# Altium PCB KlusterLab r2.0.PcbDoc (part 15 of 22)
Units mm, origin at the board's own origin, x right, y up, seen from the top; angles counter-clockwise.
Board outline 232 x 250 mm, 12 copper layers (L1 Top, L2 Inner1 (GND), L3 Inner2 (Sig), L4 Inner3 (GND), L5 Inner4 (PWR), L6 Inner5 (PWR), L7 Inner6 (PWR), L8 Inner7 (PWR), L9 Inner8 (GND), L10 Inner9 (Sig), L11 Inner10 (GND), L12 Bottom), stack 1.614 mm thick; 1169 components, 852 nets, 4679 pads, 5115 vias.
Unrouted connection lines stored in the file: 1.
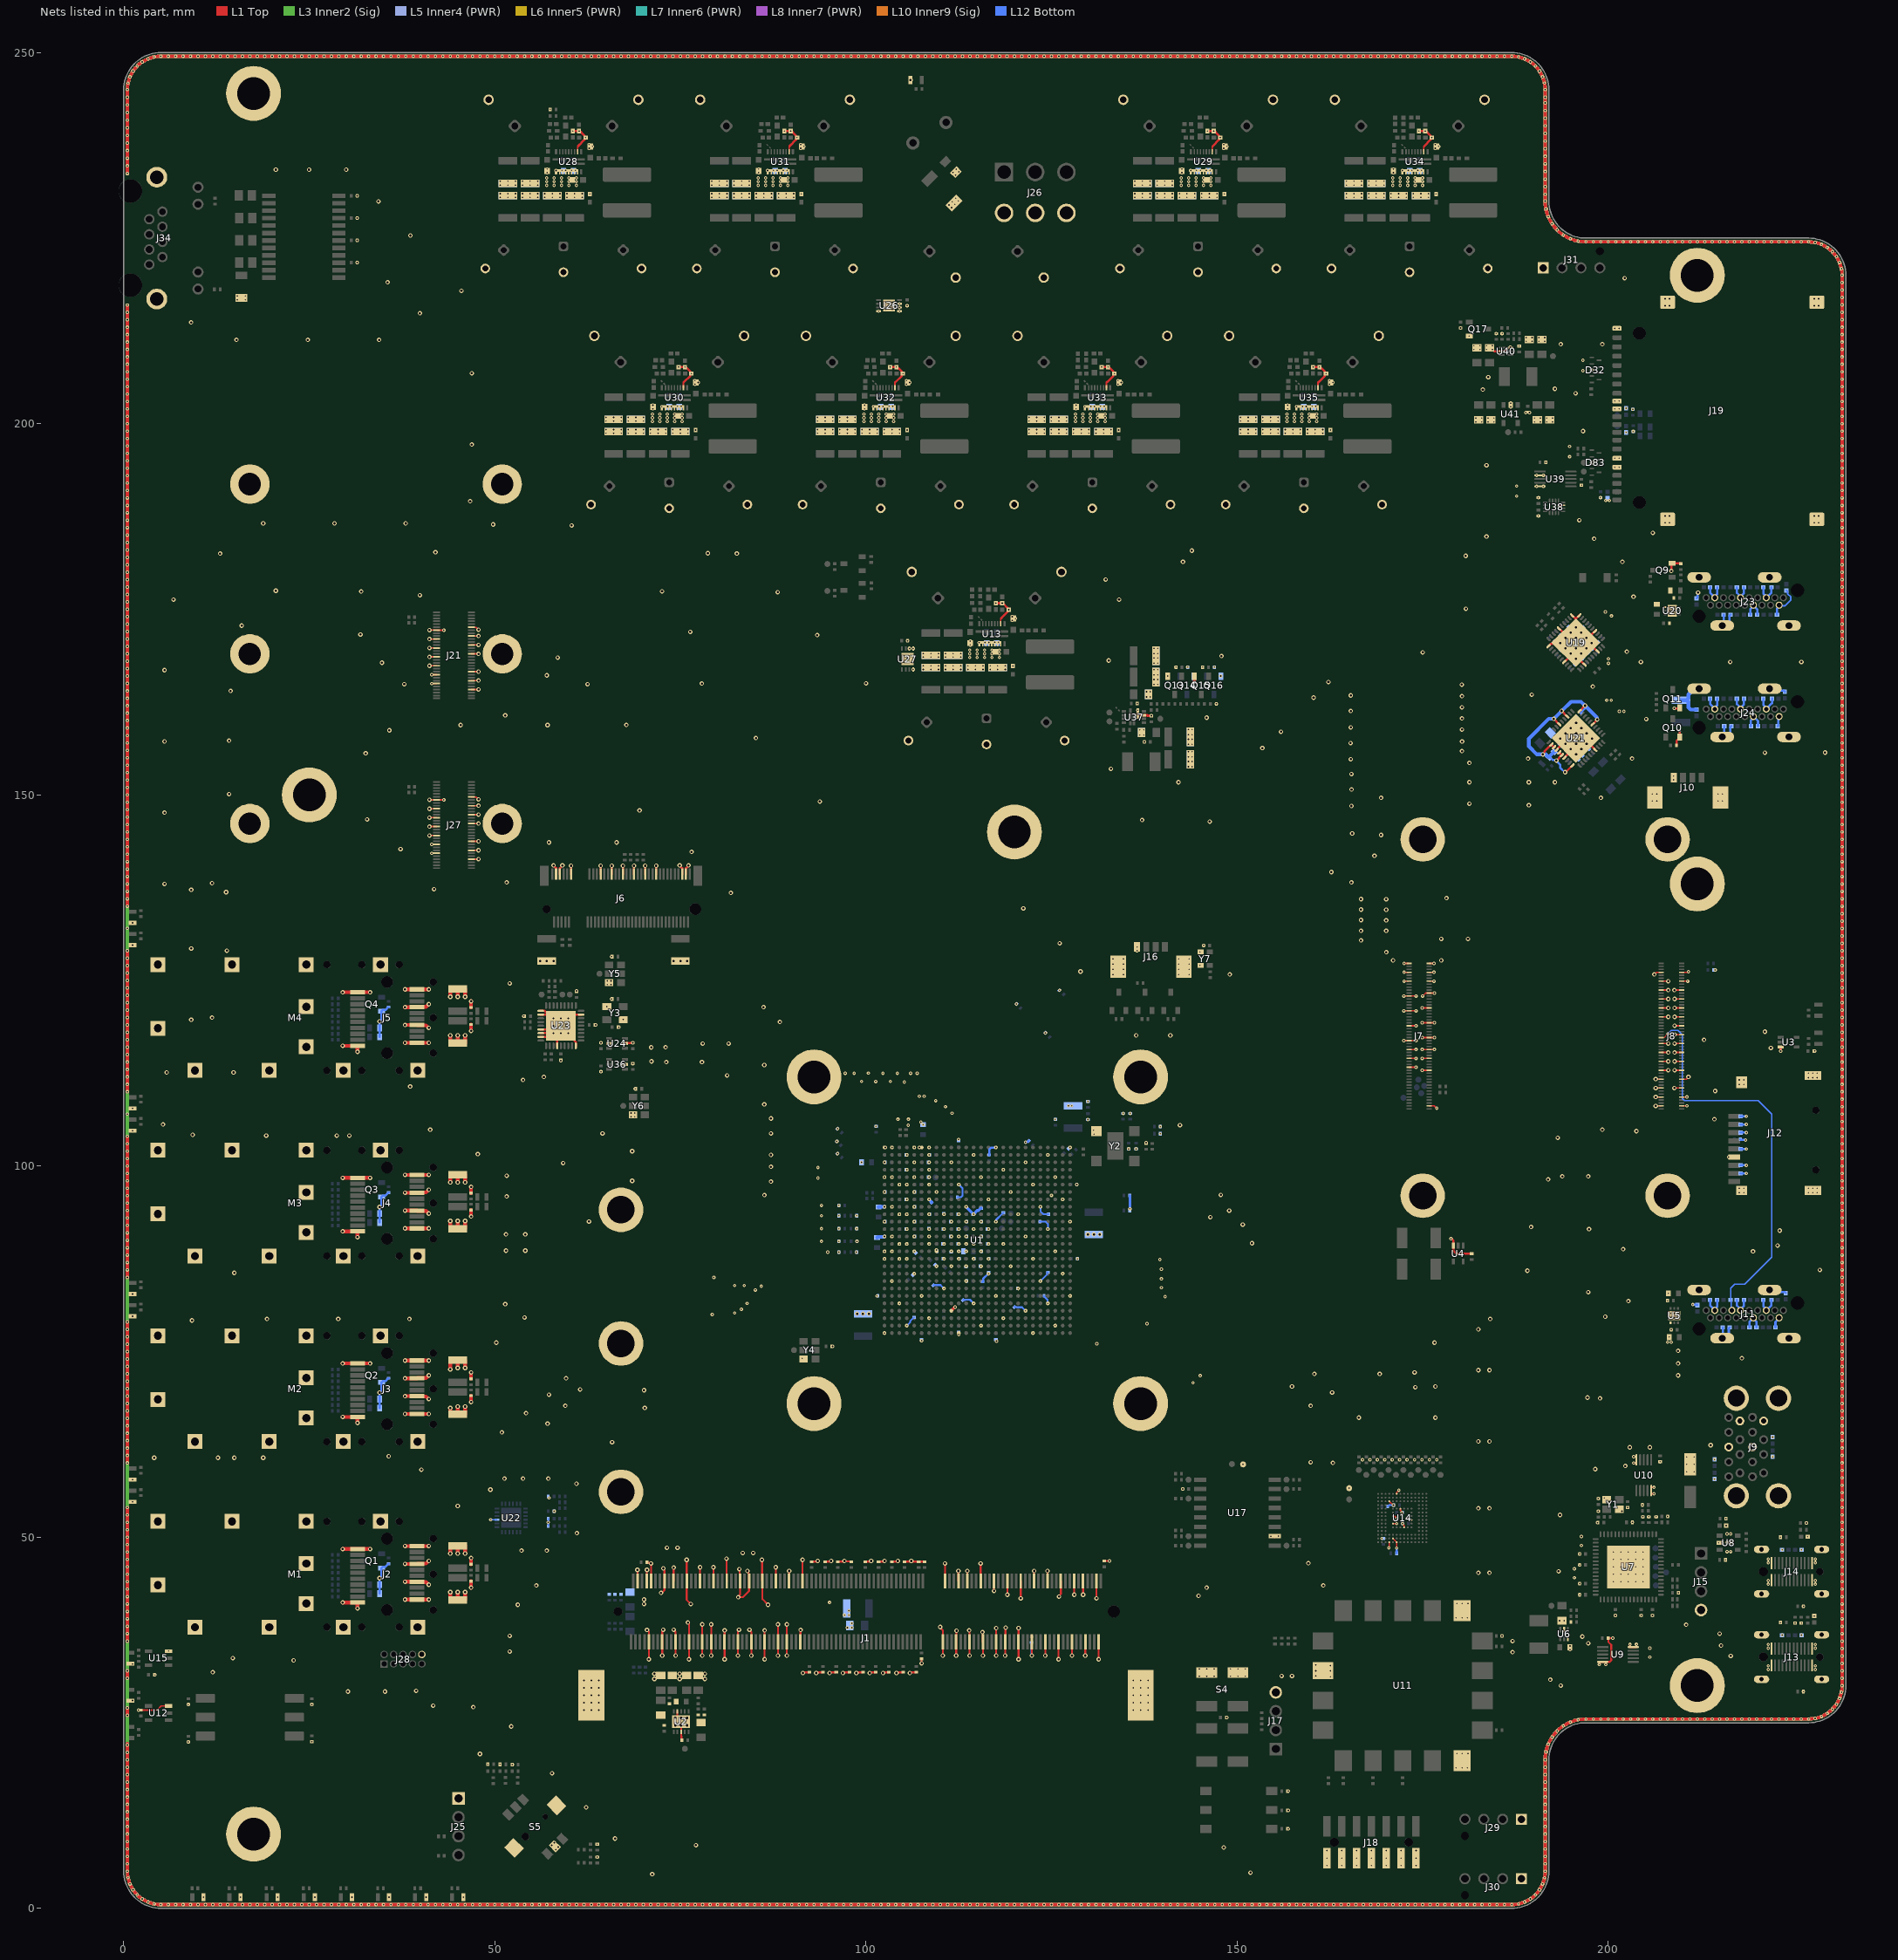
[diagram p25: the nets of this part, all layers, seen from the top]

## Via types
v1: diameter 0.45, hole 0.2, L1 Top to L12 Bottom, tented both sides, 4200 vias
v2: diameter 0.6, hole 0.3, L1 Top to L12 Bottom, tented both sides, 908 vias
v3: diameter 0.4, hole 0.2, L1 Top to L12 Bottom, tented both sides, 7 vias

## Nets (pads, with @x,y where several pads share a name; then routed paths per layer and width w, separated by ;. In a path a pad name is that pad's centre, name@x,y a point inside that pad or via, vN(x,y) a via of type N, cw(c..) or ccw(c..) an arc to the next point about the centre after c; other vN are vias at no path point) (continued)
GND: (continued)
  L7 Inner6 (PWR) w0.45: v1(0.5,215.974) v1(0.5,213) v1(0.5,210) v1(0.5,209) v1(0.5,208) v1(0.5,205) v1(0.5,203) v1(0.5,199) v1(0.5,197) v1(0.5,196) v1(0.5,194) v1(0.5,189) v1(0.5,184) v1(0.5,183) v1(0.5,180) v1(0.501,177) v1(0.501,174) v1(0.501,172) v1(0.501,170) v1(0.501,169) v1(0.501,165) v1(0.501,161) v1(0.501,157) v1(0.501,156) v1(0.5,154) v1(0.5,151) v1(0.5,144) v1(0.5,143) v1(0.5,141) v1(0.5,138) v1(0.5,132.026) v1(0.5,129) v1(0.5,126) v1(0.5,125) v1(0.5,120) v1(0.5,118) v1(0.5,117) v1(0.5,114) v1(0.5,112) v1(0.5,104) v1(0.5,103) v1(0.5,100) v1(0.5,97) v1(0.5,95) v1(0.5,91) v1(0.5,90) v1(0.501,88) v1(0.501,85) v1(0.501,78) v1(0.501,77) v1(0.501,75) v1(0.5,73) v1(0.5,70) v1(0.5,68) v1(0.5,65) v1(0.5,64) v1(0.5,61) v1(0.5,52) v1(0.5,51) v1(0.5,47) v1(0.5,43) v1(0.5,38) v1(0.5,37) v1(0.5,31) v1(0.5,26) v1(0.5,22) v1(0.5,20) v1(0.5,19) v1(0.5,16) v1(0.5,12) v1(0.5,11) v1(0.5,8) v1(0.5,7) v1(0.5,5) ccw(c5,5) v1(5,0.5) v1(7,0.5) v1(11,0.5) v1(15,0.5) v1(19,0.5) v1(22,0.5) v1(23,0.5) v1(27,0.5) v1(31,0.5) v1(34,0.5) v1(38,0.5) v1(43,0.5) v1(44,0.5) v1(49,0.5) v1(50,0.5) v1(51,0.5) v1(53,0.5) v1(56,0.5) v1(59,0.5) v1(62,0.5) v1(65,0.5) v1(68,0.5) v1(71,0.5) v1(75,0.5) v1(78,0.5) v1(83,0.499) v1(87,0.499) v1(91,0.499) v1(94,0.499) v1(96,0.5) v1(98,0.5) v1(104,0.5) v1(107,0.5) v1(110,0.5) v1(115,0.5) v1(117,0.5) v1(119,0.5) v1(125,0.5) v1(129,0.5) v1(133,0.5) v1(134,0.5) v1(136,0.5) v1(139,0.5) v1(141,0.5) v1(142,0.5) v1(143,0.5) v1(148,0.5) v1(151,0.5) v1(154,0.5) v1(158,0.5) v1(160,0.5) v1(164,0.499) v1(168,0.499) v1(174,0.499) v1(179,0.499) v1(184,0.499) v1(187,0.5) ccw(c187,5) v1(191.5,5) ; v1(0.5,233.713) v1(0.5,237.818) v1(0.501,240.896) 0.501,243.973 v1(0.5,243.974) v1(0.5,245) cw(c5,245) v1(5,249.5) v1(6,249.5) v1(9,249.5) v1(12,249.5) v1(15,249.5) v1(18,249.5) v1(25,249.5) v1(28,249.5) v1(31,249.5) v1(33,249.5) v1(38,249.5) v1(42,249.5) v1(44,249.5) v1(47,249.5) v1(51,249.5) v1(54,249.5) v1(57,249.5) v1(62,249.5) v1(65,249.5) v1(67,249.5) v1(69,249.5) v1(74,249.5) v1(76,249.5) v1(80,249.5) v1(83,249.5) v1(86,249.5) v1(89,249.5) v1(90,249.5) v1(95,249.5) v1(96,249.5) v1(98,249.5) v1(102,249.5) v1(105,249.5) v1(107,249.5) v1(111,249.5) v1(113,249.5) v1(116,249.5) v1(119,249.5) v1(124,249.5) v1(128,249.5) v1(132,249.5) v1(135,249.5) v1(142,249.5) v1(144,249.5) v1(147,249.5) v1(150,249.5) v1(153,249.5) v1(157,249.5) v1(160,249.5) v1(163,249.5) v1(166,249.5) v1(169,249.5) v1(172,249.5) v1(179,249.5) v1(181,249.5) v1(185,249.5) v1(187,249.5) cw(c187,245) v1(191.5,245) v1(191.501,241.156) v1(191.501,240.13) v1(191.5,236.026) v1(191.5,235) 191.5,231.922 v1(191.5,230) ccw(c197,230) v1(197,224.5) v1(199,224.5) v1(202,224.5) v1(205,224.5) v1(209,224.5) v1(211,224.5) v1(212,224.5) v1(214,224.5) v1(219,224.5) v1(221,224.5) v1(224,224.5) v1(225,224.5) v1(227,224.5) cw(c227,220) v1(231.5,220) v1(231.5,217) v1(231.5,214) v1(231.5,205) v1(231.5,204) v1(231.5,199) v1(231.5,195) v1(231.5,193) v1(231.5,189) v1(231.5,187) v1(231.5,184) v1(231.5,181) v1(231.5,178) v1(231.5,173) v1(231.5,172) v1(231.5,168) v1(231.5,167) v1(231.5,164) v1(231.5,161) v1(231.5,159) v1(231.5,155) v1(231.499,151) v1(231.499,148) v1(231.499,146) v1(231.499,143) v1(231.499,141) v1(231.499,140) v1(231.499,136) v1(231.5,133) v1(231.5,132) v1(231.5,128) v1(231.5,124) v1(231.5,121) v1(231.5,120) v1(231.5,118) v1(231.5,115) v1(231.5,110) v1(231.5,109) v1(231.5,107) v1(231.5,103) v1(231.5,100) v1(231.5,95) v1(231.5,93) v1(231.5,89) v1(231.5,86) v1(231.5,83) v1(231.5,80) v1(231.5,78) v1(231.5,77) v1(231.5,71) v1(231.499,69) v1(231.499,66) v1(231.499,63) v1(231.499,62) v1(231.499,59) v1(231.499,57) v1(231.499,52) v1(231.499,50) 231.5,46 v1(231.5,45) v1(231.5,43) v1(231.5,38) v1(231.5,36) v1(231.5,33) v1(231.5,30) cw(c227,30) v1(227,25.5) 224,25.5 217,25.5 v1(216,25.5) v1(212,25.5) v1(211,25.5) v1(207,25.5) v1(204,25.5) v1(199,25.5) v1(197,25.5) ccw(c197,20) v1(191.5,20) ; v1(191.5,5) v1(191.5,10) v1(191.5,12) v1(191.5,13) v1(191.5,16) v1(191.5,20)
  L8 Inner7 (PWR) w0.45: v1(0.5,215.974) v1(0.5,213) v1(0.5,210) v1(0.5,209) v1(0.5,206) v1(0.5,204) v1(0.5,197) v1(0.5,196) v1(0.5,194) v1(0.5,189) v1(0.5,184) v1(0.5,183) v1(0.5,182) v1(0.501,179) v1(0.501,174) v1(0.501,170) v1(0.501,169) v1(0.501,165) v1(0.501,163) v1(0.501,159) v1(0.501,157) v1(0.501,156) v1(0.5,154) v1(0.5,151) v1(0.5,148) v1(0.5,146) v1(0.5,144) v1(0.5,143) v1(0.5,141) v1(0.5,138) v1(0.5,132.026) v1(0.5,129) v1(0.5,126) v1(0.5,120) v1(0.5,118) v1(0.5,117) v1(0.5,114) v1(0.5,112) v1(0.5,110) v1(0.5,104) v1(0.5,103) v1(0.5,101) v1(0.5,99) v1(0.5,94) v1(0.5,91) v1(0.5,90) v1(0.501,78) v1(0.501,77) v1(0.5,73) v1(0.5,70) v1(0.5,68) v1(0.5,65) v1(0.5,64) v1(0.5,61) v1(0.5,52) v1(0.5,51) v1(0.5,48) v1(0.5,46) v1(0.5,42) v1(0.5,38) v1(0.5,37) v1(0.5,32) v1(0.5,31) v1(0.5,26) v1(0.5,22) v1(0.5,20) v1(0.5,15) v1(0.5,12) v1(0.5,11) v1(0.5,8) v1(0.5,7) v1(0.5,5) ccw(c5,5) v1(5,0.5) v1(6,0.5) v1(9,0.5) v1(11,0.5) v1(14,0.5) v1(17,0.5) v1(21,0.5) v1(23,0.5) v1(27,0.5) v1(30,0.5) v1(33,0.5) v1(34,0.5) v1(38,0.5) v1(43,0.5) v1(49,0.5) v1(50,0.5) v1(51,0.5) v1(55,0.5) v1(59,0.5) v1(62,0.5) v1(66,0.5) v1(72,0.5) v1(77,0.5) v1(83,0.499) v1(84,0.499) v1(87,0.499) v1(90,0.499) v1(95,0.5) v1(96,0.5) v1(99,0.5) v1(102,0.5) v1(107,0.5) v1(108,0.5) v1(113,0.5) v1(117,0.5) v1(121,0.5) v1(125,0.5) v1(128,0.5) v1(131,0.5) v1(135,0.5) v1(138,0.5) v1(141,0.5) v1(142,0.5) v1(143,0.5) v1(148,0.5) v1(150,0.5) v1(156,0.5) v1(158,0.5) v1(160,0.5) v1(164,0.499) v1(167,0.499) v1(172,0.499) v1(179,0.499) v1(184,0.499) v1(185,0.5) v1(187,0.5) ccw(c187,5) v1(191.5,5) ; v1(0.5,233.713) v1(0.5,237.818) v1(0.501,239.87) v1(0.501,240.896) 0.501,243.973 v1(0.5,243.974) v1(0.5,245) cw(c5,245) v1(5,249.5) v1(6,249.5) v1(12,249.5) v1(16,249.5) v1(19,249.5) v1(25,249.5) v1(27,249.5) v1(28,249.5) v1(31,249.5) v1(32,249.5) v1(36,249.5) v1(38,249.5) v1(42,249.5) v1(45,249.5) v1(48,249.5) v1(51,249.5) v1(54,249.5) v1(57,249.5) v1(58,249.5) v1(60,249.5) v1(62,249.5) v1(65,249.5) v1(68,249.5) v1(72,249.5) v1(76,249.5) v1(81,249.5) v1(86,249.5) v1(89,249.5) v1(92,249.5) v1(94,249.5) v1(97,249.5) v1(102,249.5) v1(105,249.5) v1(107,249.5) v1(110,249.5) v1(115,249.5) v1(118,249.5) v1(119,249.5) v1(122,249.5) v1(125,249.5) v1(130,249.5) v1(132,249.5) v1(135,249.5) v1(138,249.5) v1(141,249.5) v1(144,249.5) v1(147,249.5) v1(152,249.5) v1(155,249.5) v1(156,249.5) v1(160,249.5) v1(163,249.5) v1(166,249.5) v1(168,249.5) v1(170,249.5) v1(174,249.5) v1(179,249.5) v1(182,249.5) v1(187,249.5) cw(c187,245) v1(191.5,245) v1(191.502,242.182) v1(191.5,236.026) v1(191.5,235) 191.5,231.922 v1(191.5,230) ccw(c197,230) v1(197,224.5) v1(199,224.5) v1(201,224.5) v1(205,224.5) v1(209,224.5) v1(211,224.5) v1(212,224.5) v1(215,224.5) v1(219,224.5) v1(221,224.5) v1(224,224.5) v1(225,224.5) v1(227,224.5) cw(c227,220) v1(231.5,220) v1(231.5,218) v1(231.5,214) v1(231.5,210) v1(231.5,207) v1(231.5,205) v1(231.5,204) v1(231.5,203) v1(231.5,200) v1(231.5,197) v1(231.5,193) v1(231.5,187) v1(231.5,184) v1(231.5,183) v1(231.5,178) v1(231.5,173) v1(231.5,172) v1(231.5,171) v1(231.5,168) v1(231.5,167) v1(231.5,162) v1(231.5,161) v1(231.5,158) v1(231.5,152) v1(231.499,150) v1(231.499,148) v1(231.499,145) v1(231.499,142) v1(231.499,141) v1(231.499,140) v1(231.499,136) v1(231.5,133) v1(231.5,132) v1(231.5,129) v1(231.5,126) v1(231.5,123) v1(231.5,115) v1(231.5,110) v1(231.5,109) v1(231.5,108) v1(231.5,105) v1(231.5,103) v1(231.5,100) v1(231.5,99) v1(231.5,96) v1(231.5,92) v1(231.5,88) v1(231.5,85) v1(231.5,83) v1(231.5,80) v1(231.5,78) v1(231.5,77) v1(231.5,73) v1(231.499,69) v1(231.499,66) v1(231.499,63) v1(231.499,61) v1(231.499,59) v1(231.499,56) v1(231.499,53) v1(231.499,49) 231.5,46 v1(231.5,45) v1(231.5,41) v1(231.5,39) v1(231.5,35) v1(231.5,30) cw(c227,30) v1(227,25.5) 223,25.5 220,25.5 219,25.5 v1(215,25.5) v1(212,25.5) v1(211,25.5) v1(208,25.5) v1(205,25.5) v1(202,25.5) v1(199,25.5) v1(197,25.5) ccw(c197,20) v1(191.5,20) ; v1(191.5,5) v1(191.5,8) v1(191.5,12) v1(191.5,13) v1(191.5,15) v1(191.5,20)
  L10 Inner9 (Sig) w0.45: v1(0.5,215.974) v1(0.5,214) v1(0.5,212) v1(0.5,210) v1(0.5,209) v1(0.5,206) v1(0.5,204) v1(0.5,201) v1(0.5,197) v1(0.5,196) v1(0.5,190) v1(0.5,186) v1(0.5,184) v1(0.5,183) v1(0.501,179) v1(0.501,178) v1(0.501,175) v1(0.501,172) v1(0.501,170) v1(0.501,169) v1(0.501,165) v1(0.501,160) v1(0.501,157) v1(0.501,156) v1(0.5,154) v1(0.5,151) v1(0.5,146) v1(0.5,144) v1(0.5,143) v1(0.5,140) v1(0.5,137) v1(0.5,132.026) v1(0.5,129) v1(0.5,126) v1(0.5,123) v1(0.5,120) v1(0.5,118) v1(0.5,117) v1(0.5,114) v1(0.5,104) v1(0.5,103) v1(0.5,102) v1(0.5,100) v1(0.5,97) v1(0.5,95) v1(0.5,93) v1(0.5,91) v1(0.5,90) v1(0.501,88) v1(0.501,78) v1(0.501,77) v1(0.5,70) v1(0.5,67) v1(0.5,65) v1(0.5,64) v1(0.5,62) v1(0.5,60) v1(0.5,52) v1(0.5,51) v1(0.5,48) v1(0.5,46) v1(0.5,44) v1(0.5,38) v1(0.5,37) v1(0.5,26) v1(0.5,22) v1(0.5,20) v1(0.5,19) v1(0.5,16) v1(0.5,12) v1(0.5,11) v1(0.5,8) v1(0.5,7) v1(0.5,5) ccw(c5,5) v1(5,0.5) v1(9,0.5) v1(11,0.5) v1(12,0.5) v1(19,0.5) v1(20,0.5) v1(27,0.5) v1(28,0.5) v1(30,0.5) v1(33,0.5) v1(35,0.5) v1(38,0.5) v1(40,0.5) v1(43,0.5) v1(49,0.5) v1(50,0.5) v1(51,0.5) v1(55,0.5) v1(59,0.5) v1(60,0.5) v1(64,0.5) v1(68,0.5) v1(71,0.5) v1(77,0.5) v1(82,0.499) v1(89,0.499) v1(90,0.499) v1(94,0.499) v1(96,0.5) v1(100,0.5) v1(105,0.5) v1(107,0.5) v1(110,0.5) v1(113,0.5) v1(117,0.5) v1(119,0.5) v1(126,0.5) v1(128,0.5) v1(131,0.5) v1(136,0.5) v1(141,0.5) v1(142,0.5) v1(143,0.5) v1(149,0.5) v1(151,0.5) v1(153,0.5) v1(156,0.5) v1(159,0.5) v1(162,0.499) v1(164,0.499) v1(172,0.499) v1(176,0.499) v1(178,0.499) v1(184,0.499) v1(187,0.5) ccw(c187,5) v1(191.5,5) ; v1(0.5,233.713) v1(0.5,237.818) v1(0.501,240.896) 0.501,243.973 v1(0.5,243.974) v1(0.5,245) cw(c5,245) v1(5,249.5) v1(8,249.5) v1(13,249.5) v1(15,249.5) v1(18,249.5) v1(25,249.5) v1(26,249.5) v1(31,249.5) v1(33,249.5) v1(36,249.5) v1(39,249.5) v1(41,249.5) v1(45,249.5) v1(46,249.5) v1(52,249.5) v1(53,249.5) v1(60,249.5) v1(64,249.5) v1(65,249.5) v1(69,249.5) v1(72,249.5) v1(77,249.5) v1(80,249.5) v1(83,249.5) v1(89,249.5) v1(90,249.5) v1(93,249.5) v1(97,249.5) v1(100,249.5) v1(102,249.5) v1(105,249.5) v1(107,249.5) v1(116,249.5) v1(120,249.5) v1(122,249.5) v1(127,249.5) v1(129,249.5) v1(131,249.5) v1(134,249.5) v1(136,249.5) v1(141,249.5) v1(146,249.5) v1(148,249.5) v1(152,249.5) v1(154,249.5) v1(157,249.5) v1(160,249.5) v1(161,249.5) v1(163,249.5) v1(166,249.5) v1(169,249.5) v1(172,249.5) v1(173,249.5) v1(176,249.5) v1(178,249.5) v1(181,249.5) v1(187,249.5) cw(c187,245) v1(191.5,245) v1(191.5,243.974) v1(191.5,236.026) v1(191.5,235) 191.5,231.922 v1(191.5,230) ccw(c197,230) v1(197,224.5) v1(202,224.5) v1(203,224.5) v1(209,224.5) v1(211,224.5) v1(212,224.5) v1(216,224.5) v1(217,224.5) v1(220,224.5) v1(224,224.5) v1(225,224.5) v1(227,224.5) cw(c227,220) v1(231.5,220) v1(231.5,218) v1(231.5,215) v1(231.5,211) v1(231.5,209) v1(231.5,205) v1(231.5,204) v1(231.5,202) v1(231.5,197) v1(231.5,193) v1(231.5,186) v1(231.5,183) v1(231.5,178) v1(231.5,175) v1(231.5,173) v1(231.5,172) v1(231.5,171) v1(231.5,168) v1(231.5,165) v1(231.5,164) v1(231.5,161) v1(231.5,158) v1(231.5,154) v1(231.499,151) v1(231.499,149) v1(231.499,145) v1(231.499,143) v1(231.499,141) v1(231.499,140) v1(231.5,135) v1(231.5,129) v1(231.5,123) v1(231.5,120) v1(231.5,117) v1(231.5,115) v1(231.5,110) v1(231.5,109) v1(231.5,106) v1(231.5,105) v1(231.5,103) v1(231.5,100) v1(231.5,99) v1(231.5,96) v1(231.5,93) v1(231.5,90) v1(231.5,86) v1(231.5,82) v1(231.5,80) v1(231.5,78) v1(231.5,77) v1(231.5,73) v1(231.5,70) v1(231.499,66) v1(231.499,63) v1(231.499,62) v1(231.499,55) v1(231.499,53) v1(231.499,50) 231.5,46 v1(231.5,45) v1(231.5,44) v1(231.5,41) v1(231.5,37) v1(231.5,33) v1(231.5,32) v1(231.5,30) cw(c227,30) v1(227,25.5) 224,25.5 221,25.5 217,25.5 v1(216,25.5) v1(212,25.5) v1(211,25.5) v1(208,25.5) v1(207,25.5) v1(202,25.5) v1(199,25.5) v1(197,25.5) ccw(c197,20) v1(191.5,20) ; v1(191.5,5) v1(191.5,8) v1(191.5,12) v1(191.5,13) v1(191.5,16) v1(191.5,20)
  L12 Bottom w0.2: v1(49.45,52.35) U22.9@50.287,52.35 ; R204.1@57.205,51.5 57.202,51.503 57.202,51.998 v1(57.2,52) 57.202,52.003 57.202,52.498 R203.1@57.205,52.5
  L12 Bottom w0.249: R15.2@122.3,35.805 122.3,34.1 v2(122.35,34.05)
  L12 Bottom w0.25: v1(105.5,78.5) 105.975,78.975 105.975,79.13 106.45,79.605 C274.2@106.5,79.605 ; C212.2@109.079,83.921 109.115,83.956 110.049,83.956 v1(110.505,83.5) ; C277.2@112.295,95.8 112.8,95.8 113,96 113,97 v1(112.5,97.5) ; C231.2@113.079,81.921 113.115,81.956 113.356,81.956 113.4,82 114,82 v1(114.5,81.5) ; v1(117.5,92.5) 117.538,92.538 117.538,92.743 118.385,93.59 118.385,93.64 118.45,93.705 C275.2@118.5,93.705 ; C223.2@119.979,81.021 120.015,81.056 120.107,81.056 120.161,81.001 120.259,81.001 120.296,80.965 121.033,80.965 v1(121.498,80.5) ; C249.2@123.395,92.5 124.2,92.5 124.5,92.2 v1(124.5,91.5) ; v1(123.5,84.5) 124.385,85.385 124.385,85.64 124.45,85.705 C244.2@124.5,85.705 ; v1(123.51,94.5) 123.51,93.89 123.9,93.5 C225.2@124.605,93.5 ; C227.2@123.995,82.5 123.995,82.45 124.462,81.983 124.462,81.538 v1(124.5,81.5) ; C152.2@135.545,96.05 C152.2@135.547,96.048 ; C151.2@135.547,94.234 v1(135.549,94.232) ; C160.1@170.29,54.129 170.29,54.179 170.355,54.244 170.416,54.244 170.501,54.329 v1(171.045,54.329) ; J23.2@223.017,175.554 223.117,175.454 223.797,175.454 224.597,176.254 224.597,176.654 224.147,177.104 224.147,177.379 D35.1@223.997,177.529
  L12 Bottom w0.3: R27.2@34.475,42.4 R26.2@34.475,43.6 v2(34.475,44.475) 34.735,44.735 Q1.2@34.735,45.85 34.91,46.025 35.27,46.025 35.65,46.405 R28.1@35.7,46.405 ; R38.2@34.475,67.4 R37.2@34.475,68.6 v2(34.475,69.475) 34.735,69.735 Q2.2@34.735,70.85 34.91,71.025 35.27,71.025 35.65,71.405 R39.1@35.7,71.405 ; R49.2@34.475,92.4 R48.2@34.475,93.6 v2(34.475,94.475) 34.735,94.735 Q3.2@34.735,95.85 34.91,96.025 35.27,96.025 35.65,96.405 R50.1@35.7,96.405 ; R60.2@34.475,117.4 R59.2@34.475,118.6 v2(34.475,119.475) 34.735,119.735 Q4.2@34.735,120.85 34.91,121.025 35.27,121.025 35.65,121.405 R61.1@35.7,121.405 ; C254.2@115.7,84.395 115.75,84.395 115.79,84.435 115.79,84.79 v1(116.5,85.5) ; C206.2@116.6,101.495 116.6,102.2 116.871,102.471 117.471,102.471 v1(117.5,102.5) ; v1(121.5,103.2) 121.529,103.229 121.714,103.229 121.864,103.379 C243.2@121.921,103.379 ; C154.2@171.49,47.829 171.49,48.524 v1(171.495,48.529) ; v1(211.397,81.329) 211.426,81.3 211.951,81.3 D3.2@211.997,81.254 ; D48.2@211.897,176.479 212.022,176.604 212.022,177.098 212.097,177.173 v2(212.097,177.254) ; D15.1@213.722,81.954 213.722,81.229 J11.17@214.354,80.597 ; D63.1@213.722,162.954 213.722,162.229 J24.17@214.354,161.597 ; D47.1@213.722,177.954 213.722,177.229 J23.17@214.354,176.597 ; J11.17@214.354,80.554 J11.17@214.354,80.597 ; J24.17@214.354,161.554 J24.17@214.354,161.597 ; J23.17@214.354,176.554 J23.17@214.354,176.597 ; D13.1@214.672,81.954 214.672,81.048 214.354,80.73 J11.17@214.354,80.597 ; D61.1@214.672,162.954 214.672,162.048 214.354,161.73 J24.17@214.354,161.597 ; D45.1@214.672,177.954 214.672,177.048 214.354,176.73 J23.17@214.354,176.597 ; D14.1@215.422,78.254 215.422,76.881 J11.MT@215.345,76.804 215.726,76.804 216.234,77.312 216.234,78.129 216.359,78.254 D11.1@216.372,78.254 ; D46.1@215.547,174.254 215.547,173.006 J23.MT@215.345,172.804 215.814,172.804 216.322,173.312 216.322,174.129 216.447,174.254 D43.1@216.472,174.254 ; D62.1@215.622,159.254 215.622,158.081 J24.MT@215.345,157.804 215.914,157.804 216.422,158.312 216.422,159.129 216.547,159.254 D59.1@216.572,159.254 ; D12.1@217.322,81.954 217.322,81.227 J11.11@217.819,80.73 ; D60.1@217.322,162.954 217.322,162.227 J24.11@217.819,161.73 ; D44.1@217.322,177.954 217.322,177.227 J23.11@217.819,176.73 ; C116.2@217.795,103.6 217.795,103.569 217.835,103.529 218.471,103.529 v1(218.5,103.5) ; J11.11@217.819,80.554 J11.11@217.819,80.73 ; J24.11@217.819,161.554 J24.11@217.819,161.73 ; J23.11@217.819,176.554 J23.11@217.819,176.73 ; D17.1@217.825,99 v1(218.6,99) ; D16.1@217.825,100.1 v1(218.6,100.1) ; D20.1@217.825,102.3 v1(218.6,102.3) ; D21.1@217.825,104.5 v1(218.6,104.5) ; D19.1@217.825,105.6 v1(218.6,105.6) ; D18.1@217.825,106.7 v1(218.6,106.7) ; D9.1@218.272,81.954 218.272,81.183 J11.11@217.819,80.73 ; D57.1@218.272,162.954 218.272,162.183 J24.11@217.819,161.73 ; D41.1@218.272,177.954 218.272,177.183 J23.11@217.819,176.73 ; D10.1@219.022,78.254 219.022,78.979 J11.8@219.552,79.509 ; D42.1@219.122,174.254 219.122,174.979 219.552,175.409 J23.8@219.552,175.499 ; D58.1@219.222,159.254 219.222,160.048 219.552,160.378 J24.8@219.552,160.554 220.172,159.934 D55.1@220.172,159.254 ; J11.8@219.552,79.554 J11.8@219.552,79.509 ; J23.8@219.552,175.554 J23.8@219.552,175.499 ; D7.1@219.972,78.254 219.972,78.979 219.552,79.399 J11.8@219.552,79.509 ; D39.1@220.072,174.254 220.072,174.979 J23.8@219.552,175.499 ; D8.1@220.897,81.954 220.897,81.118 221.285,80.73 J11.5@221.285,80.554 221.972,81.241 D5.1@221.972,81.954 ; D56.1@220.897,162.954 220.897,162.118 221.285,161.73 J24.5@221.285,161.554 222.072,162.341 D53.1@222.072,162.954 ; D40.1@220.897,177.954 220.897,177.118 221.285,176.73 J23.5@221.285,176.554 221.972,177.241 D36.1@221.972,177.954 ; J11.MT@221.745,83.304 222.943,83.304 223.218,83.029 223.772,83.029 223.897,82.904 D4.1@223.897,82.879 ; J24.MT@221.745,164.304 222.943,164.304 223.218,164.029 223.672,164.029 223.797,163.904 D52.1@223.797,163.879 ; D6.1@222.522,78.254 222.522,78.979 223.017,79.474 J11.2@223.017,79.554 ; D38.1@222.722,174.254 222.722,175.083 J23.2@223.017,175.378 ; D54.1@222.822,159.254 222.92,159.351 222.92,160.456 J24.2@223.017,160.554 ; J23.2@223.017,175.554 J23.2@223.193,175.554
  L12 Bottom w0.35: C151.2@135.547,94.234 C152.2@135.547,96.048
  L12 Bottom w0.4: v1@108.5,95.472 v1@108.5,95.486 ; v1(108.5,95.5) v1@108.5,95.486 ; C133.2@108.858,95.087 108.872,95.101 108.872,95.115 v1@108.5,95.486 ; v1(113.5,94.5) v1(114.5,93.5) 114.995,93.995 115.17,93.995 115.47,94.295 C129.2@115.5,94.295 ; Q14.2@144.2,165.985 144.24,165.945 144.24,165.175 v1(144.25,165.166)
  L12 Bottom w0.45: v1(0.5,215.974) v1(0.5,212) v1(0.5,210) v1(0.5,209) v1(0.5,206) v1(0.5,204) v1(0.5,201) v1(0.5,197) v1(0.5,196) v1(0.5,194) v1(0.5,189) v1(0.5,186) v1(0.5,184) v1(0.5,183) v1(0.5,181) v1(0.501,179) v1(0.501,177) v1(0.501,175) v1(0.501,172) v1(0.501,170) v1(0.501,169) v1(0.501,168) v1(0.501,166) v1(0.501,161) v1(0.501,157) v1(0.501,156) v1(0.5,153) v1(0.5,151) v1(0.5,146) v1(0.5,144) v1(0.5,143) v1(0.5,141) v1(0.5,138) v1(0.5,132.026) v1(0.5,129) v1(0.5,126) v1(0.5,125) v1(0.5,123) v1(0.5,121) v1(0.5,118) v1(0.5,117) v1(0.5,114) v1(0.5,107) v1(0.5,104) v1(0.5,103) v1(0.5,99) v1(0.5,91) v1(0.5,90) v1(0.501,89) v1(0.501,87) v1(0.501,78) v1(0.501,77) v1(0.501,75) v1(0.5,70) v1(0.5,68) v1(0.5,65) v1(0.5,64) v1(0.5,61) v1(0.5,52) v1(0.5,51) v1(0.5,50) v1(0.5,47) v1(0.5,46) v1(0.5,41) v1(0.5,38) v1(0.5,37) v1(0.5,26) v1(0.5,22) v1(0.5,20) v1(0.5,19) v1(0.5,15) v1(0.5,14) v1(0.5,12) v1(0.5,11) v1(0.5,8) v1(0.5,5) ccw(c5,5) v1(5,0.5) v1(9,0.5) v1(11,0.5) v1(12,0.5) v1(15,0.5) v1(20,0.5) v1(23,0.5) v1(26,0.5) v1(30,0.5) v1(34,0.5) v1(37,0.5) v1(43,0.5) v1(46,0.5) v1(47,0.5) v1(50,0.5) v1(51,0.5) v1(56,0.5) v1(58,0.5) v1(62,0.5) v1(66,0.5) v1(68,0.5) v1(73,0.5) v1(77,0.5) v1(78,0.5) v1(83,0.499) v1(88,0.499) v1(91,0.499) v1(94,0.499) v1(96,0.5) v1(99,0.5) v1(102,0.5) v1(107,0.5) v1(110,0.5) v1(112,0.5) v1(116,0.5) v1(119,0.5) v1(122,0.5) v1(124,0.5) v1(127,0.5) v1(128,0.5) v1(133,0.5) v1(134,0.5) v1(136,0.5) v1(139,0.5) v1(141,0.5) v1(142,0.5) v1(144,0.5) v1(147,0.5) v1(151,0.5) v1(156,0.5) v1(157,0.5) v1(162,0.499) v1(166,0.499) v1(172,0.499) v1(176,0.499) v1(178,0.499) v1(184,0.499) v1(187,0.5) ccw(c187,5) v1(191.5,5) ; v1(0.5,233.713) v1(0.5,237.818) v1(0.501,240.896) 0.501,243.973 v1(0.5,243.974) v1(0.5,245) cw(c5,245) v1(5,249.5) v1(8,249.5) v1(12,249.5) v1(15,249.5) v1(18,249.5) v1(21,249.5) v1(23,249.5) v1(28,249.5) v1(29,249.5) v1(33,249.5) v1(39,249.5) v1(41,249.5) v1(46,249.5) v1(51,249.5) v1(54,249.5) v1(57,249.5) v1(58,249.5) v1(64,249.5) v1(65,249.5) v1(68,249.5) v1(74,249.5) v1(76,249.5) v1(80,249.5) v1(81,249.5) v1(84,249.5) v1(88,249.5) v1(90,249.5) v1(93,249.5) v1(96,249.5) v1(98,249.5) v1(100,249.5) v1(105,249.5) v1(107,249.5) v1(115,249.5) v1(117,249.5) v1(119,249.5) v1(121,249.5) v1(126,249.5) v1(128,249.5) v1(132,249.5) v1(135,249.5) v1(138,249.5) v1(141,249.5) v1(142,249.5) v1(144,249.5) v1(147,249.5) v1(150,249.5) v1(155,249.5) v1(157,249.5) v1(160,249.5) v1(162,249.5) v1(164,249.5) v1(169,249.5) v1(170,249.5) v1(175,249.5) v1(178,249.5) v1(183,249.5) v1(185,249.5) v1(187,249.5) cw(c187,245) v1(191.5,245) v1(191.502,242.182) v1(191.5,236.026) v1(191.5,235) 191.5,231.922 v1(191.5,230) ccw(c197,230) v1(197,224.5) v1(199,224.5) v1(202,224.5) v1(204,224.5) v1(211,224.5) v1(212,224.5) v1(214,224.5) v1(217,224.5) v1(220,224.5) v1(224,224.5) v1(225,224.5) v1(227,224.5) cw(c227,220) v1(231.5,220) v1(231.5,218) v1(231.5,216) v1(231.5,214) v1(231.5,210) v1(231.5,205) v1(231.5,204) v1(231.5,202) v1(231.5,199) v1(231.5,196) v1(231.5,193) v1(231.5,187) v1(231.5,184) v1(231.5,183) v1(231.5,181) v1(231.5,178) v1(231.5,173) v1(231.5,172) v1(231.5,171) v1(231.5,169) v1(231.5,164) v1(231.5,158) v1(231.5,155) v1(231.5,152) v1(231.499,149) v1(231.499,144) v1(231.499,142) v1(231.499,141) v1(231.499,140) v1(231.499,136) v1(231.5,133) v1(231.5,130) v1(231.5,127) v1(231.5,126) v1(231.5,123) v1(231.5,119) v1(231.5,117) v1(231.5,113) v1(231.5,110) v1(231.5,109) v1(231.5,106) v1(231.5,105) v1(231.5,101) v1(231.5,99) v1(231.5,97) v1(231.5,90) v1(231.5,86) v1(231.5,85) v1(231.5,82) v1(231.5,78) v1(231.5,77) v1(231.5,76) v1(231.5,73) v1(231.499,69) v1(231.499,65) v1(231.499,62) v1(231.499,60) v1(231.499,59) v1(231.499,54) v1(231.499,49) 231.5,46 v1(231.5,45) v1(231.5,43) v1(231.5,38) v1(231.5,35) v1(231.5,32) v1(231.5,30) cw(c227,30) v1(227,25.5) 224,25.5 220,25.5 218,25.5 v1(216,25.5) v1(212,25.5) v1(211,25.5) v1(208,25.5) v1(207,25.5) v1(204,25.5) v1(201,25.5) v1(197,25.5) ccw(c197,20) v1(191.5,20) ; v1(191.5,5) v1(191.5,7) v1(191.5,10) v1(191.5,12) v1(191.5,13) v1(191.5,15) v1(191.5,16) v1(191.5,20)